# Allegro board FMDEMOD-before-back-annote.brd (continued)
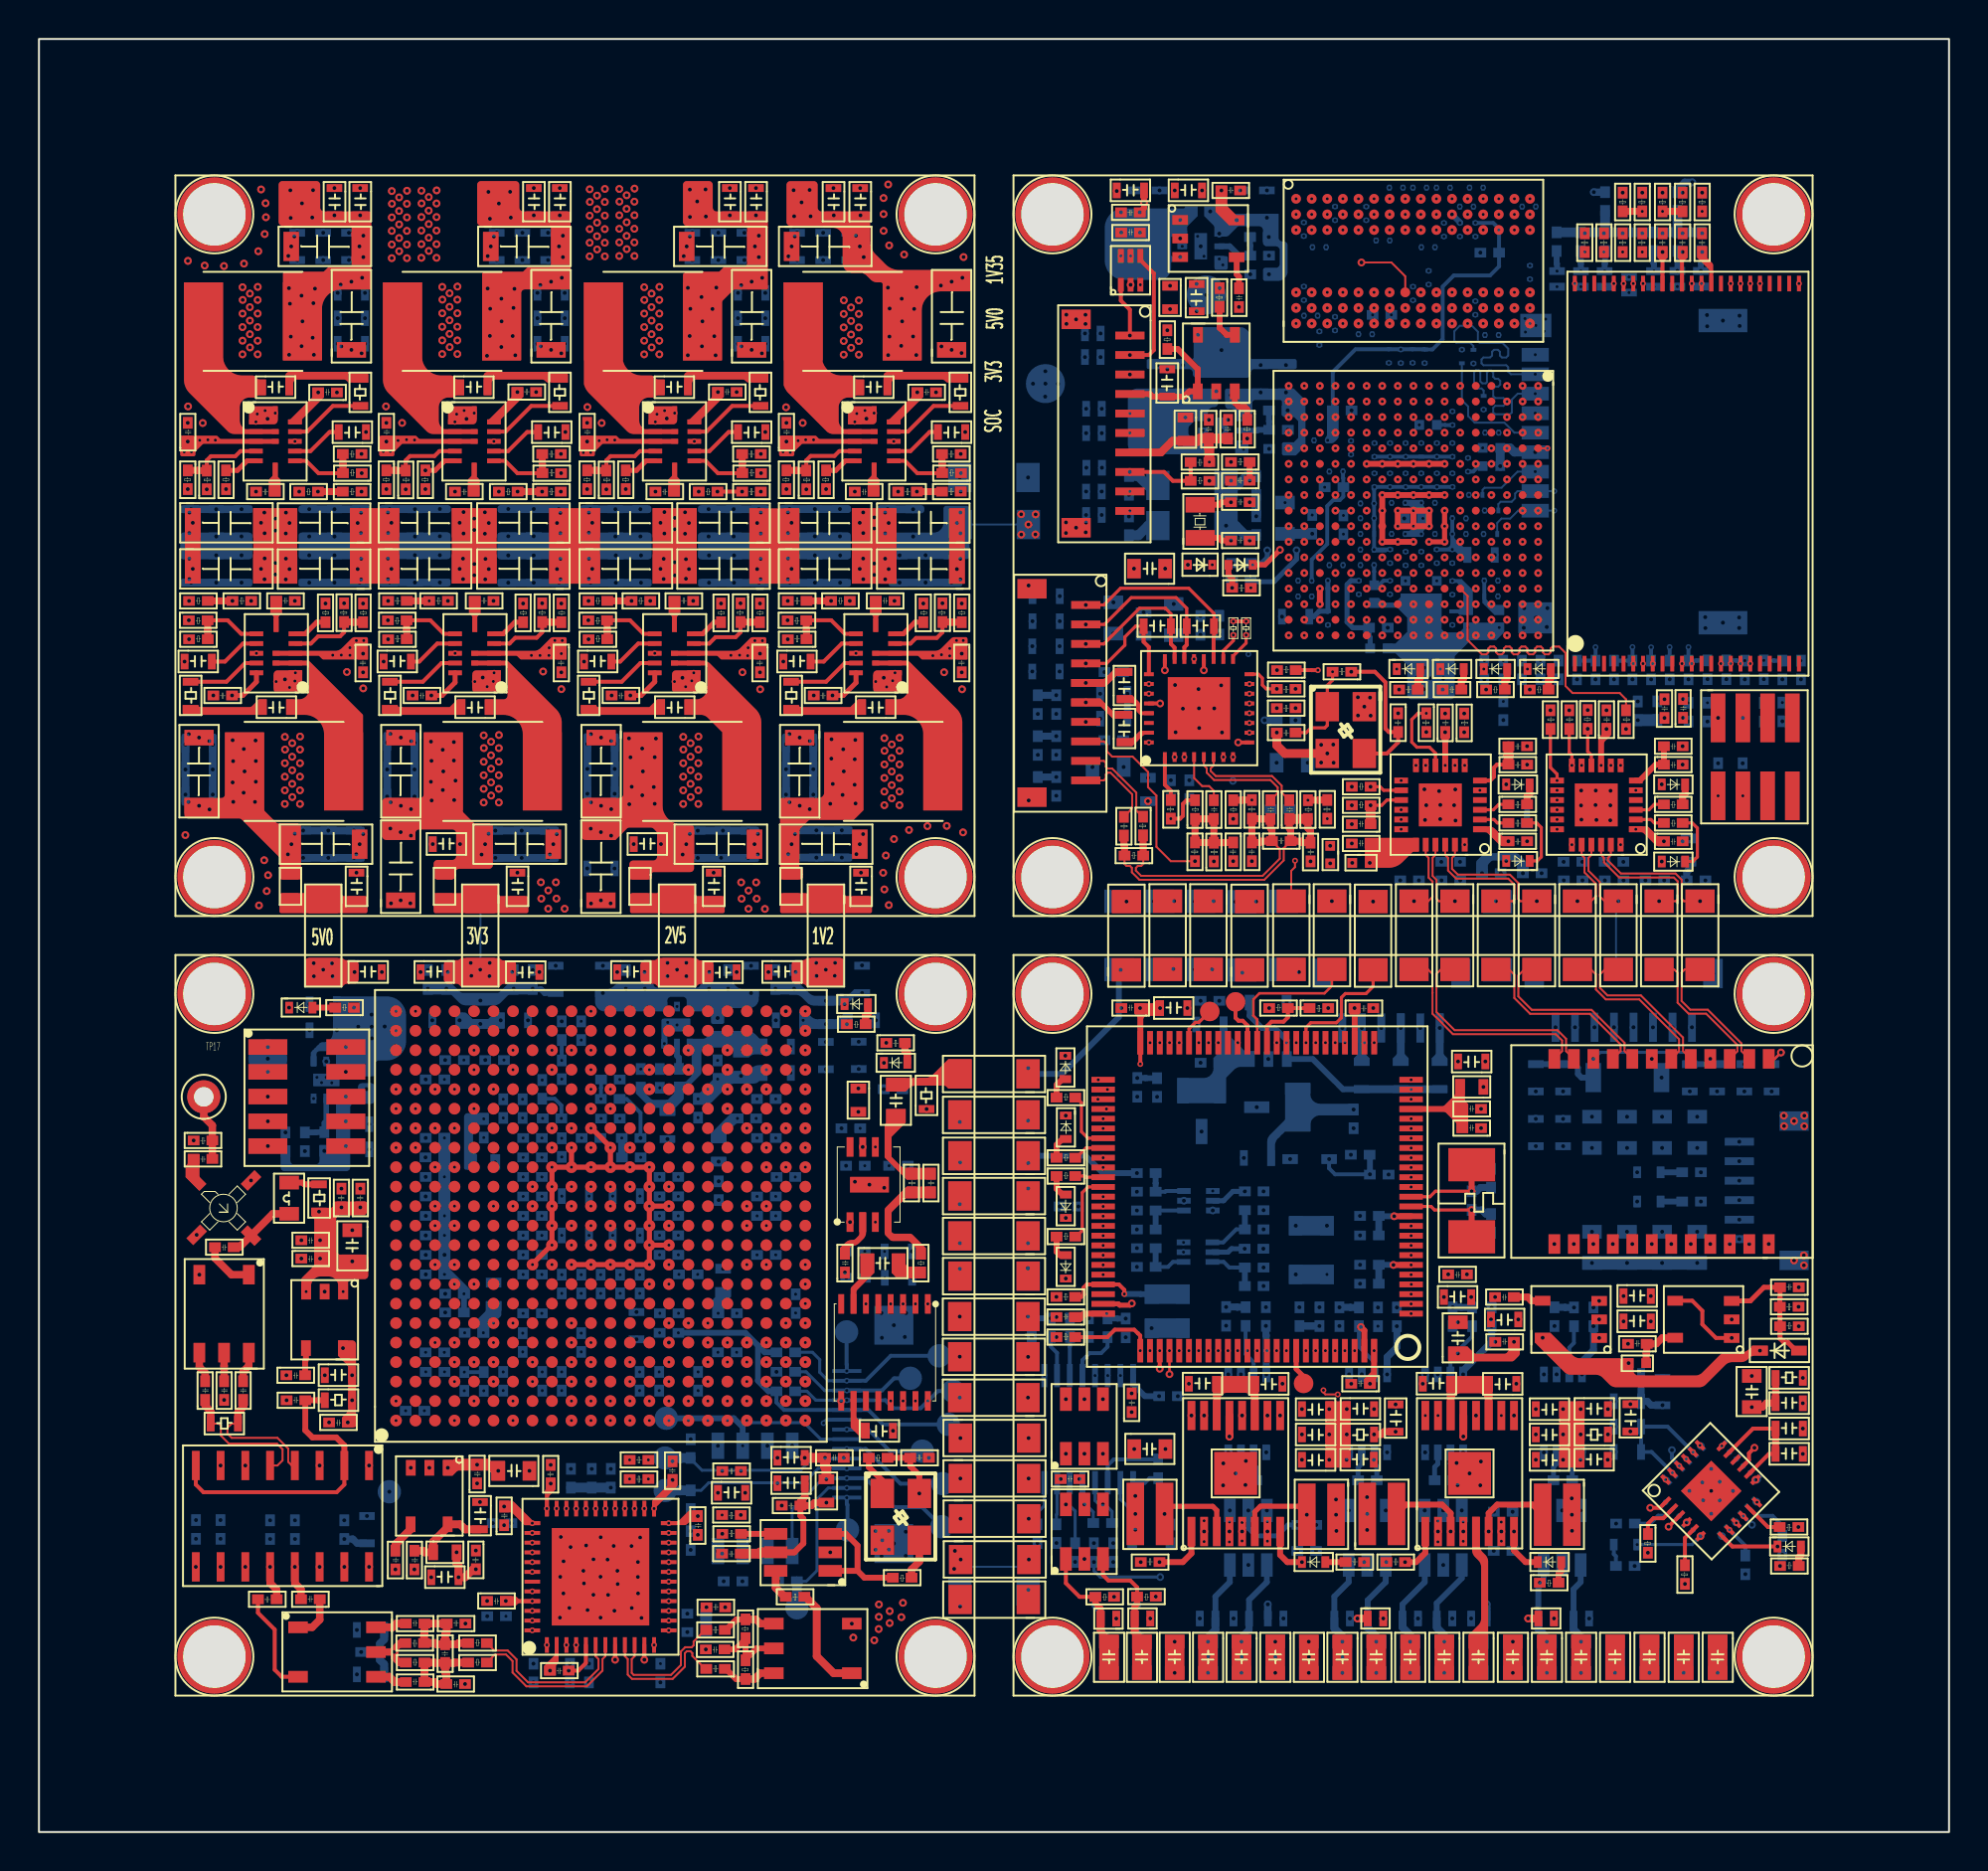
[diagram p0: board, top side]
## Footprints (pads in the part's own frame, mm; a bottom-side part is the same pattern mirrored in y, then rotated) (continued)
L0805
  rect 0.7x1 smd: 1(0.2,0.62) 2(1.8,0.62)
LED0402
  rect 0.4x0.6 smd: 1(-0.1,0.25) 2(1.1,0.25)
LQFP-100
  rect 0.3x1.2 smd: 1(-6.003,-7.901) 2(-5.503,-7.901) 3(-5.003,-7.901) 4(-4.503,-7.901) 5(-4.003,-7.901) 6(-3.503,-7.901) 7(-3.003,-7.901) 8(-2.503,-7.901) 9(-2.003,-7.901) 10(-1.503,-7.901) 11(-1.003,-7.901) 12(-0.503,-7.901) 13(-0.003,-7.901) 14(0.497,-7.901) 15(0.997,-7.901) 16(1.497,-7.901) 17(1.997,-7.901) 18(2.497,-7.901) 19(2.997,-7.901) 20(3.497,-7.901) 21(3.997,-7.901) 22(4.497,-7.901) 23(4.997,-7.901) 24(5.497,-7.901) 25(5.997,-7.901) 51(5.998,7.901) 52(5.498,7.901) 53(4.998,7.901) 54(4.498,7.901) 55(3.998,7.901) 56(3.498,7.901) 57(2.998,7.901) 58(2.498,7.901) 59(1.998,7.901) 60(1.498,7.901) 61(0.998,7.901) 62(0.498,7.901) 63(-0.002,7.901) 64(-0.502,7.901) 65(-1.002,7.901) 66(-1.502,7.901) 67(-2.002,7.901) 68(-2.502,7.901) 69(-3.002,7.901) 70(-3.502,7.901) 71(-4.002,7.901) 72(-4.502,7.901) 73(-5.002,7.901) 74(-5.502,7.901) 75(-6.002,7.901)
  rect 1.2x0.3 smd: 26(7.9,-6.007) 27(7.9,-5.507) 28(7.9,-5.007) 29(7.9,-4.507) 30(7.9,-4.007) 31(7.9,-3.507) 32(7.9,-3.007) 33(7.9,-2.507) 34(7.9,-2.007) 35(7.9,-1.507) 36(7.9,-1.007) 37(7.9,-0.507) 38(7.9,-0.007) 39(7.9,0.493) 40(7.9,0.993) 41(7.9,1.493) 42(7.9,1.993) 43(7.9,2.493) 44(7.9,2.993) 45(7.9,3.493) 46(7.9,3.993) 47(7.9,4.493) 48(7.9,4.993) 49(7.9,5.493) 50(7.9,5.993) 76(-7.902,5.997) 77(-7.902,5.497) 78(-7.902,4.997) 79(-7.902,4.497) 80(-7.902,3.997) 81(-7.902,3.497) 82(-7.902,2.997) 83(-7.902,2.497) 84(-7.902,1.997) 85(-7.902,1.497) 86(-7.902,0.997) 87(-7.902,0.497) 88(-7.902,-0.003) 89(-7.902,-0.503) 90(-7.902,-1.003) 91(-7.902,-1.503) 92(-7.902,-2.003) 93(-7.902,-2.503) 94(-7.902,-3.003) 95(-7.902,-3.503) 96(-7.902,-4.003) 97(-7.902,-4.503) 98(-7.902,-5.003) 99(-7.902,-5.503) 100(-7.902,-6.003)
MAPBGA-289
  round 0.4 smd: A1(0,0) A2(0.8,0) A3(1.6,0) A4(2.4,0) A5(3.2,0) A6(4,0) A7(4.8,0) A8(5.6,0) A9(6.4,0) A10(7.2,0) A11(8,0) A12(8.8,0) A13(9.6,0) A14(10.4,0) A15(11.2,0) A16(12,0) A17(12.8,0) B1(0,-0.8) B2(0.8,-0.8) B3(1.6,-0.8) B4(2.4,-0.8) B5(3.2,-0.8) B6(4,-0.8) B7(4.8,-0.8) B8(5.6,-0.8) B9(6.4,-0.8) B10(7.2,-0.8) B11(8,-0.8) B12(8.8,-0.8) B13(9.6,-0.8) B14(10.4,-0.8) B15(11.2,-0.8) B16(12,-0.8) B17(12.8,-0.8) C1(0,-1.6) C2(0.8,-1.6) C3(1.6,-1.6) C4(2.4,-1.6) C5(3.2,-1.6) C6(4,-1.6) C7(4.8,-1.6) C8(5.6,-1.6) C9(6.4,-1.6) C10(7.2,-1.6) C11(8,-1.6) C12(8.8,-1.6) C13(9.6,-1.6) C14(10.4,-1.6) C15(11.2,-1.6) C16(12,-1.6) C17(12.8,-1.6) D1(0,-2.4) D2(0.8,-2.4) D3(1.6,-2.4) D4(2.4,-2.4) D5(3.2,-2.4) D6(4,-2.4) D7(4.8,-2.4) D8(5.6,-2.4) D9(6.4,-2.4) D10(7.2,-2.4) D11(8,-2.4) D12(8.8,-2.4) D13(9.6,-2.4) D14(10.4,-2.4) D15(11.2,-2.4) D16(12,-2.4) D17(12.8,-2.4) E1(0,-3.2) E2(0.8,-3.2) E3(1.6,-3.2) E4(2.4,-3.2) E5(3.2,-3.2) E6(4,-3.2) E7(4.8,-3.2) E8(5.6,-3.2) E9(6.4,-3.2) E10(7.2,-3.2) E11(8,-3.2) E12(8.8,-3.2) E13(9.6,-3.2) E14(10.4,-3.2) E15(11.2,-3.2) E16(12,-3.2) E17(12.8,-3.2) F1(0,-4) F2(0.8,-4) F3(1.6,-4) F4(2.4,-4) F5(3.2,-4) F6(4,-4) F7(4.8,-4) F8(5.6,-4) F9(6.4,-4) F10(7.2,-4) F11(8,-4) F12(8.8,-4) F13(9.6,-4) F14(10.4,-4) F15(11.2,-4) F16(12,-4) F17(12.8,-4) G1(0,-4.8) G2(0.8,-4.8) G3(1.6,-4.8) G4(2.4,-4.8) G5(3.2,-4.8) G6(4,-4.8) G7(4.8,-4.8) G8(5.6,-4.8) G9(6.4,-4.8) G10(7.2,-4.8) G11(8,-4.8) G12(8.8,-4.8) G13(9.6,-4.8) G14(10.4,-4.8) G15(11.2,-4.8) G16(12,-4.8) G17(12.8,-4.8) H1(0,-5.6) H2(0.8,-5.6) H3(1.6,-5.6) H4(2.4,-5.6) H5(3.2,-5.6) H6(4,-5.6) H7(4.8,-5.6) H8(5.6,-5.6) H9(6.4,-5.6) H10(7.2,-5.6) H11(8,-5.6) H12(8.8,-5.6) H13(9.6,-5.6) H14(10.4,-5.6) H15(11.2,-5.6) H16(12,-5.6) H17(12.8,-5.6) J1(0,-6.4) J2(0.8,-6.4) J3(1.6,-6.4) J4(2.4,-6.4) J5(3.2,-6.4) J6(4,-6.4) J7(4.8,-6.4) J8(5.6,-6.4) J9(6.4,-6.4) J10(7.2,-6.4) J11(8,-6.4) J12(8.8,-6.4) J13(9.6,-6.4) J14(10.4,-6.4) J15(11.2,-6.4) J16(12,-6.4) J17(12.8,-6.4) K1(0,-7.2) K2(0.8,-7.2) K3(1.6,-7.2) K4(2.4,-7.2) K5(3.2,-7.2) K6(4,-7.2) K7(4.8,-7.2) K8(5.6,-7.2) K9(6.4,-7.2) K10(7.2,-7.2) K11(8,-7.2) K12(8.8,-7.2) K13(9.6,-7.2) K14(10.4,-7.2) K15(11.2,-7.2) K16(12,-7.2) K17(12.8,-7.2) L1(0,-8) L2(0.8,-8) L3(1.6,-8) L4(2.4,-8) L5(3.2,-8) L6(4,-8) L7(4.8,-8) L8(5.6,-8) L9(6.4,-8) L10(7.2,-8) L11(8,-8) L12(8.8,-8) L13(9.6,-8) L14(10.4,-8) L15(11.2,-8) L16(12,-8) L17(12.8,-8) M1(0,-8.8) M2(0.8,-8.8) M3(1.6,-8.8) M4(2.4,-8.8) M5(3.2,-8.8) M6(4,-8.8) M7(4.8,-8.8) M8(5.6,-8.8) M9(6.4,-8.8) M10(7.2,-8.8) M11(8,-8.8) M12(8.8,-8.8) M13(9.6,-8.8) M14(10.4,-8.8) M15(11.2,-8.8) M16(12,-8.8) M17(12.8,-8.8) N1(0,-9.6) N2(0.8,-9.6) N3(1.6,-9.6) N4(2.4,-9.6) N5(3.2,-9.6) N6(4,-9.6) N7(4.8,-9.6) N8(5.6,-9.6) N9(6.4,-9.6) N10(7.2,-9.6) N11(8,-9.6) N12(8.8,-9.6) N13(9.6,-9.6) N14(10.4,-9.6) N15(11.2,-9.6) N16(12,-9.6) N17(12.8,-9.6) P1(0,-10.4) P2(0.8,-10.4) P3(1.6,-10.4) P4(2.4,-10.4) P5(3.2,-10.4) P6(4,-10.4) P7(4.8,-10.4) P8(5.6,-10.4) P9(6.4,-10.4) P10(7.2,-10.4) P11(8,-10.4) P12(8.8,-10.4) P13(9.6,-10.4) P14(10.4,-10.4) P15(11.2,-10.4) P16(12,-10.4) P17(12.8,-10.4) R1(0,-11.2) R2(0.8,-11.2) R3(1.6,-11.2) R4(2.4,-11.2) R5(3.2,-11.2) R6(4,-11.2) R7(4.8,-11.2) R8(5.6,-11.2) R9(6.4,-11.2) R10(7.2,-11.2) R11(8,-11.2) R12(8.8,-11.2) R13(9.6,-11.2) R14(10.4,-11.2) R15(11.2,-11.2) R16(12,-11.2) R17(12.8,-11.2) T1(0,-12) T2(0.8,-12) T3(1.6,-12) T4(2.4,-12) T5(3.2,-12) T6(4,-12) T7(4.8,-12) T8(5.6,-12) T9(6.4,-12) T10(7.2,-12) T11(8,-12) T12(8.8,-12) T13(9.6,-12) T14(10.4,-12) T15(11.2,-12) T16(12,-12) T17(12.8,-12) U1(0,-12.8) U2(0.8,-12.8) U3(1.6,-12.8) U4(2.4,-12.8) U5(3.2,-12.8) U6(4,-12.8) U7(4.8,-12.8) U8(5.6,-12.8) U9(6.4,-12.8) U10(7.2,-12.8) U11(8,-12.8) U12(8.8,-12.8) U13(9.6,-12.8) U14(10.4,-12.8) U15(11.2,-12.8) U16(12,-12.8) U17(12.8,-12.8)
MICROSD-SMD-9P
  rect 0.7x1.4 smd: 1(2,7.53) 2(1,7.53) 3(0,7.53) 4(-1,7.53) 5(-2,7.53) 6(-3,7.53) 7(-4,7.53) 8(-5,7.53) 9(-6,7.53)
  rect 1.2x1.6 smd: 10(-7.5,7.5)
  rect 1.2x2.5 smd: 11(-7.75,-2.1) 12(7.75,-2.1)
  rect 1.6x1.8 smd: 13(7.5,7.5)
MSOP-8
  rect 0.4x0.8 smd: 1(0.63,0.58) 2(1.28,0.58) 3(1.93,0.58) 4(2.58,0.58) 5(2.58,4.58) 6(1.93,4.58) 7(1.28,4.58) 8(0.63,4.58)
MSOP-8-PAD
  rect 0.35x1 smd: 1(-0.001,-3.615) 2(0.649,-3.615) 3(1.299,-3.615) 4(1.949,-3.615) 5(1.949,0.241) 6(1.299,0.241) 7(0.649,0.241) 8(-0.001,0.241)
  rect 2x0.8 smd: 9(0.995,-1.694)
QFN-14
  rect 0.7x0.25 smd: 1(-0.99,1) 2(-0.99,0.5) 3(-0.99,0) 4(-0.99,-0.5) 5(-0.99,-1) 7(1.01,-1) 8(1.01,-0.5) 9(1.01,0) 10(1.01,0.5) 11(1.01,1)
  rect 0.25x0.7 smd: 6(0,-1.45) 12(0,1.45)
  rect 0.35x0.25 smd: 13(0,0.5) 14(0,0)
QFN-24
  rect 0.7x0.3 smd: 1(-2.03,1.25) 2(-2.03,0.75) 3(-2.03,0.25) 4(-2.03,-0.25) 5(-2.03,-0.75) 6(-2.03,-1.25) 13(2.01,-1.25) 14(2.01,-0.75) 15(2.01,-0.25) 16(2.01,0.25) 17(2.01,0.75) 18(2.01,1.25)
  rect 0.3x0.7 smd: 7(-1.25,-2.03) 8(-0.75,-2.03) 9(-0.25,-2.03) 10(0.25,-2.03) 11(0.75,-2.03) 12(1.25,-2.03) 19(1.25,2.04) 20(0.75,2.04) 21(0.25,2.04) 22(-0.25,2.04) 23(-0.75,2.04) 24(-1.25,2.04)
  rect 2.2x2.2 smd: 25(0,0)
QFN-32
  rect 0.5x0.2 smd: 1(-2.5,1.75) 2(-2.5,1.25) 3(-2.5,0.75) 4(-2.5,0.25) 5(-2.5,-0.25) 6(-2.5,-0.75) 7(-2.5,-1.25) 8(-2.5,-1.75) 17(2.53,-1.75) 18(2.53,-1.25) 19(2.53,-0.75) 20(2.53,-0.25) 21(2.53,0.25) 22(2.53,0.75) 23(2.53,1.25) 24(2.53,1.75)
  rect 0.2x0.5 smd: 9(-1.75,-2.59) 10(-1.25,-2.59) 11(-0.75,-2.59) 12(-0.25,-2.59) 13(0.25,-2.59) 14(0.75,-2.59) 15(1.25,-2.59) 16(1.75,-2.59) 25(1.75,2.57) 26(1.25,2.57) 27(0.75,2.57) 28(0.25,2.57) 29(-0.25,2.57) 30(-0.75,2.57) 31(-1.25,2.57) 32(-1.75,2.57)
  rect 3.2x3.2 smd: 33(0,0)
QFN-48
  rect 0.8x0.2 smd: 1(-3.5,2.75) 2(-3.5,2.25) 3(-3.5,1.75) 4(-3.5,1.25) 5(-3.5,0.75) 6(-3.5,0.25) 7(-3.5,-0.25) 8(-3.5,-0.75) 9(-3.5,-1.25) 10(-3.5,-1.75) 11(-3.5,-2.25) 12(-3.5,-2.75) 25(3.5,-2.75) 26(3.5,-2.25) 27(3.5,-1.75) 28(3.5,-1.25) 29(3.5,-0.75) 30(3.5,-0.25) 31(3.5,0.25) 32(3.5,0.75) 33(3.5,1.25) 34(3.5,1.75) 35(3.5,2.25) 36(3.5,2.75)
  rect 0.2x0.8 smd: 13(-2.75,-3.5) 14(-2.25,-3.5) 15(-1.75,-3.5) 16(-1.25,-3.5) 17(-0.75,-3.5) 18(-0.25,-3.5) 19(0.25,-3.5) 20(0.75,-3.5) 21(1.25,-3.5) 22(1.75,-3.5) 23(2.25,-3.5) 24(2.75,-3.5) 37(2.75,3.5) 38(2.25,3.5) 39(1.75,3.5) 40(1.25,3.5) 41(0.75,3.5) 42(0.25,3.5) 43(-0.25,3.5) 44(-0.75,3.5) 45(-1.25,3.5) 46(-1.75,3.5) 47(-2.25,3.5) 48(-2.75,3.5)
  rect 5x5 smd: 49(0,0)
R0201
  rect 0.2x0.3 smd: 1(-0.05,0.15) 2(0.65,0.15)
R0402
  rect 0.6x0.5 smd: 1(0.01,0.25) 2(0.97,0.25)
R0603
  rect 0.4x0.8 smd: 1(0.1,0.4) 2(1.5,0.4)
R1206
  rect 1.2x1.5 smd: 1(-0.15,0.8) 2(3.35,0.8)
R3216
  rect 3.2x0.9 smd: 1(1.62,1.95) 2(1.62,0.45)
SH1D0-SMD-VER-6P
  rect 0.4x1.5 smd: 1(1.48,3.46) 2(2.48,3.46) 3(3.48,3.46) 4(4.48,3.46) 5(5.48,3.46) 6(6.48,3.46)
  rect 1x1.5 smd: M1(0.42,0.65) M2(7.57,0.65)
SH1D0-SMD-VER-8P
  rect 0.4x1.5 smd: 1(1.51,3.41) 2(2.51,3.41) 3(3.51,3.41) 4(4.51,3.41) 5(5.51,3.41) 6(6.51,3.41) 7(7.51,3.41) 8(8.51,3.41)
  rect 1x1.5 smd: M1(0.42,0.65) M2(9.59,0.65)
SH1D0-SMD-VER-10P
  rect 0.4x1.5 smd: 1(1.24,3.41) 2(2.24,3.41) 3(3.24,3.41) 4(4.24,3.41) 5(5.24,3.41) 6(6.24,3.41) 7(7.24,3.41) 8(8.24,3.41) 9(9.24,3.41) 10(10.24,3.41)
  rect 1x1.5 smd: M1(0.41,0.65) M2(11.1,0.65)
SM-22
  rect 0.6x1 smd: 1(0.64,-0.1) 2(3.18,-0.1) 3(3.18,3.9) 4(1.91,3.9) 5(0.64,3.9)
SMD-HEADER-2X4-1D27
  rect 0.75x2.5 smd: 1(0.651,1.166) 2(1.921,1.166) 3(3.191,1.166) 4(4.461,1.166) 5(4.461,5.166) 6(3.191,5.166) 7(1.921,5.166) 8(0.651,5.166)
SMD-M3295NL
  rect 0.6x1 smd: 1(2.05,0.23) 2(3.05,0.23) 3(4.05,0.23) 4(5.05,0.23) 5(6.05,0.23) 6(7.05,0.23) 7(8.05,0.23) 8(9.05,0.23) 9(10.05,0.23) 10(11.05,0.23) 11(12.05,0.23) 12(13.05,0.23) 13(13.05,9.73) 14(12.05,9.73) 15(11.05,9.73) 16(10.05,9.73) 17(9.05,9.73) 18(8.05,9.73) 19(7.05,9.73) 20(6.05,9.73) 21(5.05,9.73) 22(4.05,9.73) 23(3.05,9.73) 24(2.05,9.73)
SO-8
  rect 0.65x1.35 smd: 1(0,-5.4) 2(1.27,-5.4) 3(2.54,-5.4) 4(3.81,-5.4) 5(3.81,0) 6(2.54,0) 7(1.27,0) 8(0,0)
SO-16
  rect 0.4x1.5 smd: 1(-4.437,-2.605) 2(-3.167,-2.605) 3(-1.897,-2.605) 4(-0.627,-2.605) 5(0.643,-2.605) 6(1.913,-2.605) 7(3.183,-2.605) 8(4.453,-2.605) 9(4.453,2.595) 10(3.183,2.595) 11(1.913,2.595) 12(0.643,2.595) 13(-0.627,2.595) 14(-1.897,2.595) 15(-3.167,2.595) 16(-4.437,2.595)
SOD523
  rect 0.4x0.5 smd: 1(0,0.43) 2(1.25,0.43)
SOD-523F
  rect 0.5x0.8 smd: 1(0,0) 2(0,-2)
SOT-6
  rect 0.7x0.3 smd: 1(0,0) 2(0,-0.5) 3(0,-1) 4(1.48,-1) 5(1.48,-0.5) 6(1.48,0)
SOT-23-3
  rect 1.3x0.6 smd: 1(0.3,2.47) 2(0.3,0.57) 3(2.4,1.52)
SOT-23-5
  rect 0.5x0.8 smd: 1(-0.95,-1.45) 2(0,-1.45) 3(0.95,-1.45) 4(0.96,1.45) 5(-0.94,1.45)
SOT-23-6
  rect 1.2x0.6 smd: 1(0,0) 2(0,-0.95) 3(0,-1.9) 4(2.8,-1.9) 5(2.8,-0.95) 6(2.8,0)
SSOP-16
  rect 1x0.3 smd: 1(0.6,4.7) 2(0.6,4.065) 3(0.6,3.43) 4(0.6,2.795) 5(0.6,2.16) 6(0.6,1.525) 7(0.6,0.89) 8(0.6,0.255) 9(5.58,0.255) 10(5.58,0.89) 11(5.58,1.525) 12(5.58,2.16) 13(5.58,2.795) 14(5.58,3.43) 15(5.58,4.065) 16(5.58,4.7)
TP_SMD_CIR_1D0
  round 1 smd: 1(0,0)
TP_SMD_CIR_1D2
  round 1.2 smd: 1(0,0)
TP_SMD_CIR_2D0
  round 2 smd: 1(0,0)
TP_THR_CIR_1D7_1D0
  round 1.7 hole 1: 1(0,0)
TSOP-48
  rect 0.8x0.2 smd: 1(-9.75,5.8) 2(-9.75,5.3) 3(-9.75,4.8) 4(-9.75,4.3) 5(-9.75,3.8) 6(-9.75,3.3) 7(-9.75,2.8) 8(-9.75,2.3) 9(-9.75,1.8) 10(-9.75,1.3) 11(-9.75,0.8) 12(-9.75,0.3) 13(-9.75,-0.2) 14(-9.75,-0.7) 15(-9.75,-1.2) 16(-9.75,-1.7) 17(-9.75,-2.2) 18(-9.75,-2.7) 19(-9.75,-3.2) 20(-9.75,-3.7) 21(-9.75,-4.2) 22(-9.75,-4.7) 23(-9.75,-5.2) 24(-9.75,-5.7) 25(9.75,-5.7) 26(9.75,-5.2) 27(9.75,-4.7) 28(9.75,-4.2) 29(9.75,-3.7) 30(9.75,-3.2) 31(9.75,-2.7) 32(9.75,-2.2) 33(9.75,-1.7) 34(9.75,-1.2) 35(9.75,-0.7) 36(9.75,-0.2) 37(9.75,0.3) 38(9.75,0.8) 39(9.75,1.3) 40(9.75,1.8) 41(9.75,2.3) 42(9.75,2.8) 43(9.75,3.3) 44(9.75,3.8) 45(9.75,4.3) 46(9.75,4.8) 47(9.75,5.3) 48(9.75,5.8)
TSSOP-16
  rect 0.3x1.2 smd: 1(0,-5.5) 2(0.65,-5.5) 3(1.3,-5.5) 4(1.95,-5.5) 5(2.6,-5.5) 6(3.25,-5.5) 7(3.9,-5.5) 8(4.55,-5.5) 9(4.55,0) 10(3.9,0) 11(3.25,0) 12(2.6,0) 13(1.95,0) 14(1.3,0) 15(0.65,0) 16(0,0)
TSX-3225-4P
  rect 1.5x1.2 smd: 1(0.43,0.3) 2(2.83,0.3) 3(2.83,2.2) 4(0.43,2.2)
unnamed#2
  round 3.8 hole 3.2: (0,0)
VFBGA-96
  round 0.5 smd: A1(0,0) A2(0.8,0) A3(1.6,0) A7(4.8,0) A8(5.6,0) A9(6.4,0) B1(0,-0.8) B2(0.8,-0.8) B3(1.6,-0.8) B7(4.8,-0.8) B8(5.6,-0.8) B9(6.4,-0.8) C1(0,-1.6) C2(0.8,-1.6) C3(1.6,-1.6) C7(4.8,-1.6) C8(5.6,-1.6) C9(6.4,-1.6) D1(0,-2.4) D2(0.8,-2.4) D3(1.6,-2.4) D7(4.8,-2.4) D8(5.6,-2.4) D9(6.4,-2.4) E1(0,-3.2) E2(0.8,-3.2) E3(1.6,-3.2) E7(4.8,-3.2) E8(5.6,-3.2) E9(6.4,-3.2) F1(0,-4) F2(0.8,-4) F3(1.6,-4) F7(4.8,-4) F8(5.6,-4) F9(6.4,-4) G1(0,-4.8) G2(0.8,-4.8) G3(1.6,-4.8) G7(4.8,-4.8) G8(5.6,-4.8) G9(6.4,-4.8) H1(0,-5.6) H2(0.8,-5.6) H3(1.6,-5.6) H7(4.8,-5.6) H8(5.6,-5.6) H9(6.4,-5.6) J1(0,-6.4) J2(0.8,-6.4) J3(1.6,-6.4) J7(4.8,-6.4) J8(5.6,-6.4) J9(6.4,-6.4) K1(0,-7.2) K2(0.8,-7.2) K3(1.6,-7.2) K7(4.8,-7.2) K8(5.6,-7.2) K9(6.4,-7.2) L1(0,-8) L2(0.8,-8) L3(1.6,-8) L7(4.8,-8) L8(5.6,-8) L9(6.4,-8) M1(0,-8.8) M2(0.8,-8.8) M3(1.6,-8.8) M7(4.8,-8.8) M8(5.6,-8.8) M9(6.4,-8.8) N1(0,-9.6) N2(0.8,-9.6) N3(1.6,-9.6) N7(4.8,-9.6) N8(5.6,-9.6) N9(6.4,-9.6) P1(0,-10.4) P2(0.8,-10.4) P3(1.6,-10.4) P7(4.8,-10.4) P8(5.6,-10.4) P9(6.4,-10.4) R1(0,-11.2) R2(0.8,-11.2) R3(1.6,-11.2) R7(4.8,-11.2) R8(5.6,-11.2) R9(6.4,-11.2) T1(0,-12) T2(0.8,-12) T3(1.6,-12) T7(4.8,-12) T8(5.6,-12) T9(6.4,-12)
VQFN-24
  rect 0.6x0.2 smd: 1(-2.03,1.25) 2(-2.03,0.75) 3(-2.03,0.25) 4(-2.03,-0.25) 5(-2.03,-0.75) 6(-2.03,-1.25) 13(2.01,-1.2) 14(2.01,-0.75) 15(2.01,-0.25) 16(2.01,0.25) 17(2.01,0.75) 18(2.01,1.25)
  rect 0.2x0.6 smd: 7(-1.25,-2.07) 8(-0.75,-2.07) 9(-0.25,-2.07) 10(0.25,-2.07) 11(0.75,-2.07) 12(1.25,-2.07) 19(1.25,2.07) 20(0.75,2.07) 21(0.25,2.07) 22(-0.25,2.07) 23(-0.75,2.07) 24(-1.25,2.07)
  rect 2.2x2.2 smd: 25(0,0)
WSON-6
  rect 0.5x0.3 smd: 1(-0.952,0.648) 2(-0.952,-0.002) 3(-0.952,-0.652) 4(0.948,-0.652) 5(0.948,-0.002) 6(0.948,0.648)
  rect 0.65x1.35 smd: 7(0,0)

## Nets
1V2_FPGA: C251.2 C5595.2 C5629.2 C5630.2 L11.2 R444.2
1V2_FPGA_PWR: C539.1 C540.2 C541.2 C542.2 C543.2 C5522.2 C5523.2 C5524.2 C5525.2 L39.1 L44.2 R445.2
2V5_FPGA: C5633.2 C5634.2 L10.1 R4523.1 R4524.1 R4525.2 U635.1
2V5_FPGA_IN: C5593.2 C5594.2 C5631.2 C5632.2 C5635.2 C5636.2 C5637.2 C5638.2 R435.2 R4523.2 U635.4 U635.6
2V5_FPGA_PWR: C529.1 C530.2 C531.2 C532.2 C5513.2 C5514.2 C5515.2 C5516.2 C5517.2 C5518.2 C5520.2 C5521.2 L38.1 L43.2 R436.2
3V3_AUDIO: C124.1 C125.1 L5.2 R134.2 U24.8 U24.10 U24.32
3V3_FPGA: C216.2 C5590.2 C5591.2 C5620.2 C5621.2 C5622.2 C5623.2 L8.1 R426.2
3V3_FPGA_PWR: C519.1 C520.2 C521.2 C522.2 C523.2 C5506.2 C5507.2 C5508.2 C5509.2 C5510.2 C5512.2 L37.1 L42.2 R427.2
3V3_IF: C406.2 C407.2 R386.2 R388.2 R389.2 R390.2 U58.5(\OUT\)
3V3_MCU: C4.2 C10.1 C11.1 C13.1 C14.1 C15.1 C16.1 C17.2 C28.2 C33.2 C44.2 C178.1 C194.2 C199.1 C367.2 C368.1 C369.1 C370.1 C452.1 C452.2 C461.1 C461.2 C464.1 C464.2 C471.1 C471.2 C477.1 C477.2 C481.1 C482.1 C483.1 C484.1 C485.1 C486.1 C487.1 C492.1 C493.1 C494.1 C494.2 C498.1 C499.1 D2.2 D7.2 D10.2 D15.2 D18.2(\K\) L1.1 L2.2 R1.1 R8.1 R9.1 R10.2 R11.2 R12.2 R13.2 R14.2 R15.2 R16.2 R17.2 R27.1 R29.2 R41.1 R43.2 R405.1 R406.2 U1.5 U3.6 U3.11 U3.28 U3.50 U3.75 U3.100 U5.5(\OUT\) U6.5(\VCC\) U9.5(\VCC\) U12.5(\VCC\) U15.5(\VCC\) U32.16(\VCC\) U33.5(\VCC\) U34.5(\VCC\) U54.5(\VCC\) U55.5(\VCC\)
3V3_MCU_A: C12.2 C480.2 L1.2 U3.22
5V_AUDIO: C133.2 C134.2 C136.1 C137.1 L6.2 U24.21 U24.26
5V_FPGA: C211.2 C212.2 C231.2 C232.2 C267.2 C268.2 C404.2 C405.2 C441.2 C5586.2 C5587.2 L13.1 R246.2 R4519.1 R4520.1 R4521.2 U40.1 U40.3 U58.1 U58.3 U634.1
5V_FPGA_IN: C5584.2 C5585.2 C5592.1 R354.2 R4519.2 TP41.1(\TP\) U634.4 U634.6
5V_FPGA_PWR: C310.2 C313.2 C314.2 C323.1 C386.2 C5478.2 C5479.2 C5480.2 C5481.2 L18.2 L36.1 R271.2
5V_MCU: C8.1 C9.1 C29.1 C31.1 C45.1 C46.1 C371.2 C372.2 C373.2 C374.2 J16.1 J16.2 R342.2 U5.1 U5.3 U10.8 U11.8 U16.8 U17.8
12V_MTR: C375.1 C376.1 C377.1 C378.1 C490.2 C491.2 J16.5 J16.6 R18.1 R19.2 R32.2 R33.1 R46.1 R343.2
GND: A1.2 A1.4 C1.1 C2.1 C3.1 C4.1 C5.1 C6.1 C7.1 C8.2 C9.2 C10.2 C11.2 C12.1 C13.2 C14.2 C15.2 C16.2 C17.1 C18.2 C19.2 C20.2 C21.1 C22.1 C23.2 C24.2 C25.2 C26.2 C27.2 C28.1 C29.2 C30.2 C31.2 C32.2 C33.1 C34.2 C35.2 C36.2 C37.1 C38.2 C39.1 C40.2 C41.2 C42.2 C43.2 C44.1 C45.2 C46.2 C47.2 C48.2 C49.2 C50.1 C51.2 C52.2 C53.2 C54.2 C55.2 C56.2 C57.2 C58.2 C59.2 C60.2 C61.2 C62.2 C63.2 C64.2 C65.2 C66.2 C67.2 C68.2 C69.2 C70.2 C71.2 C72.2 C73.2 C74.2 C75.2 C76.2 C77.2 C78.2 C79.2 C80.2 C81.2 C82.1 C83.1 C85.1 C87.1 C88.2 C89.2 C90.2 C91.2 C92.2 C93.2 C95.2 C96.2 C97.2 C98.2 C99.2 C100.2 C101.2 C102.2 C103.2 C104.2 C105.2 C106.2 C107.2 C108.2 C109.2 C110.2 C111.2 C112.2 C113.2 C114.2 C115.1 C116.1 C117.1 C118.1 C119.1 C120.1 C121.2 C122.1 C123.2 C128.1 C129.2 C132.1 C139.2 C140.1 C141.1 C145.1 C146.1 C147.1 C148.1 C149.2 C150.2 C152.2 C153.2 C154.2 C158.2 C162.2 C166.1 C167.1 C174.2 C178.2 C181.2 C185.2 C194.1 C199.2 C200.1 C201.1 C202.2 C203.1 C205.1 C206.2 C210.1 C211.1 C212.1 C214.1 C215.1 C216.1 C218.1 C219.1 C220.1 C221.2 C222.2 C223.2 C224.2 C225.2 C226.2 C227.2 C228.2 C229.1 C230.1 C231.1 C232.1 C233.1 C234.1 C237.1 C238.1 C239.1 C240.1 C241.2 C242.2 C243.2 C244.2 C248.1 C250.1 C251.1 C252.1 C253.1 C254.1 C255.1 C256.1 C257.1 C258.1 C259.1 C260.1 C261.1 C262.1 C267.1 C268.1 C269.1 C270.1 C277.1 C278.1 C279.1 C280.1 C288.1 C289.1 C290.1 C291.1 C292.2 C294.1 C295.1 C298.1 C307.1 C308.1 C310.1 C311.1 C312.1 C313.1 C314.1 C315.1 C316.1 C322.1 C367.1 C368.2 C369.2 C370.2 C371.1 C372.1 C373.1 C374.1 C375.2 C376.2 C377.2 C378.2 C386.1 C395.1 C396.1 C399.2 C401.2 C404.1 C405.1 C406.1 C407.1 C408.1 C409.1 C410.2 C411.1 C412.1 C413.1 C414.1 C415.1 C416.1 C417.1 C418.1 C419.1 C420.1 C421.1 C422.1 C423.1 C424.1 C425.1 C426.1 C427.2 C428.1 C429.1 C430.1 C431.1 C432.1 C433.1 C434.1 C435.1 C436.1 C437.1 C438.1 C439.1 C440.2 C441.1 C455.1 C455.2 C460.1 C460.2 C467.1 C467.2 C473.1 C473.2 C479.1 C479.2 C480.1 C481.2 C482.2 C483.2 C484.2 C485.2 C486.2 C487.2 C488.2 C489.2 C490.1 C491.1 C492.2 C493.2 C495.1 C495.2 C498.2 C499.2 C500.2 C501.2 C502.2 C503.2 C504.2 C505.2 C506.1 C507.1 C517.1 C518.1 C520.1 C521.1 C522.1 C523.1 C524.1 C525.1 C527.1 C528.1 C530.1 C531.1 C532.1 C534.1 C535.1 C537.1 C538.1 C540.1 C541.1 C542.1 C543.1 C544.1 C545.1 C1307.1 C1308.1 C3101.1 C3131.1 C3141.1 C3861.1 C5061.1 C5071.1 C5171.1 C5181.1 C5201.1 C5211.1 C5221.1 C5231.1 C5241.1 C5251.1 C5271.1 C5281.1 C5301.1 C5311.1 C5321.1 C5331.1 C5341.1 C5351.1 C5371.1 C5401.1 C5411.1 C5421.1 C5431.1 C5441.1 C5451.1 C5472.1 C5473.1 C5474.1 C5475.1 C5476.1 C5477.1 C5478.1 C5479.1 C5480.1 C5481.1 C5482.1 C5483.1 C5484.1 C5485.1 C5486.1 C5487.1 C5488.1 C5489.1 C5490.1 C5491.1 C5492.1 C5493.1 C5494.2 C5495.2 C5496.2 C5497.2 C5498.1 C5499.1 C5500.1 C5501.1 C5502.1 C5503.1 C5504.1 C5505.1 C5506.1 C5507.1 C5508.1 C5509.1 C5510.1 C5512.1 C5513.1 C5514.1 C5515.1 C5516.1 C5517.1 C5518.1 C5519.1 C5520.1 C5521.1 C5522.1 C5523.1 C5524.1 C5525.1 C5526.1 C5527.1 C5528.1 C5529.1 C5530.1 C5531.1 C5532.1 C5533.1 C5534.1 C5535.1 C5536.2 C5537.2 C5538.2 C5539.1 C5540.1 C5541.1 C5542.1 C5543.1 C5544.1 C5545.1 C5546.1 C5547.1 C5548.1 C5549.1 C5550.1 C5551.2 C5552.2 C5553.2 C5554.2 C5555.1 C5556.1 C5557.1 C5558.1 C5559.1 C5560.1 C5561.1 C5562.1 C5563.1 C5564.1 C5565.1 C5566.1 C5567.1 C5568.1 C5569.1 C5570.1 C5571.1 C5572.1 C5573.1 C5574.1 C5575.1 C5576.1 C5577.1 C5578.1 C5579.1 C5580.1 C5581.1 C5582.1 C5583.1 C5584.1 C5585.1 C5586.1 C5587.1 C5588.2 C5589.2 C5590.1 C5591.1 C5592.2 C5593.1 C5594.1 C5595.1 C5596.1 C5597.1 C5598.1 C5599.1 C5600.1 C5601.1 C5602.1 C5603.1 C5604.1 C5605.1 C5606.1 C5607.1 C5608.1 C5609.1 C5610.1 C5611.1 C5612.1 C5613.1 C5614.1 C5615.1 C5616.1 C5617.1 C5618.2 C5619.2 C5620.1 C5621.1 C5622.1 C5623.1 C5627.1 C5628.1 C5629.1 C5630.1 C5631.1 C5632.1 C5633.1 C5634.1 C5635.1 C5636.1 C5637.1 C5638.1 C5639.1 C5640.1 C5641.1 C5642.1 C5643.1 C5644.2 C5645.2 C5646.2 C5647.2 C5648.2 C5649.2 C5650.2 C5651.2 C5652.2 C5653.2 C5654.2 C5655.2 C5656.2 C5657.2 D1.1 D2.1 D3.1 D4.1 D7.1 D8.1 D9.1 D10.1 D11.1 D12.1 D15.1 D16.1 D17.1 D29.2 D30.2 D31.2 D32.2 D33.2 D34.2 D35.2 D42.1 D43.1 D44.2 D45.2 D46.2 D47.2 D48.2 D49.1(\CATHODE\) D50.1(\CATHODE\) D51.1 D52.1 D53.1 D54.1 D55.1(\CATHODE\) D56.1(\CATHODE\) D57.1(\CATHODE\) D58.1(\CATHODE\) D59.1(\CATHODE\) D60.1(\CATHODE\) D61.1(\CATHODE\) J1.1 J1.3 J1.5 J1.M1 J1.M2(\M2\) J8.M1 J8.M2(\M2\) J9.6(\VSS\) J9.10 J9.11 J9.12 J9.13 J14.6 J14.M1 J14.M2(\M2\) J16.3 J16.4 J16.M1 J16.M2(\M2\) J17.3 J17.M1 J17.M2(\M2\) J18.1 R20.2 R21.1 R22.2 R23.1 R26.2 R28.2 R34.2 R35.1 R36.2 R37.1 R40.2 R42.2 R47.2 R51.1 R52.1 R58.1 R59.1 R61.2 R63.2 R66.2 R86.1 R87.2 R88.2 R89.1 R90.1 R91.1 R92.1 R93.1 R95.1 R96.1 R97.1 R98.1 R103.1 R104.1 R106.1 R109.1 R110.1 R111.1 R112.1 R113.1 R114.1 R116.1 R118.1 R119.1 R120.1 R121.1 R122.1 R123.1 R124.1 R126.1 R137.2 R139.2 R164.2 R181.1 R232.2 R247.1 R252.1 R262.1 R276.1 R376.1 R379.1 R381.1 R383.1 R387.1 R393.1 R394.1 R395.1 R396.1 R404.1 R407.2 R408.2 R411.1 R412.1 R414.1 R428.1 R429.1 R431.1 R437.1 R438.1 R440.1 R446.1 R447.1 R449.1 R2761.1 R4121.1 R4141.1 R4281.1 R4291.1 R4311.1 R4371.1 R4401.1 R4461.1 R4491.1 R4503.1 R4505.1 R4506.1 R4506.2 R4507.1 R4507.2 R4508.1 R4508.2 R4509.1 R4509.2 R4510.1 R4510.2 R4512.1 R4518.1 R4522.1 R4526.1 T2.2 T3.2 TP25.1(\TP\) TP27.1(\TP\) TP42.1(\TP\) U1.2(\VSS\) U2.3 U3.10(\VSS_5\) U3.19 U3.20 U3.27 U3.49 U3.74 U3.99 U4.3 U5.2 U6.2 U7.13 U7.17 U8.18 U8.25 U9.2 U10.1 U10.5 U10.6 U11.1 U11.5 U11.6 U12.2 U13.18 U13.25 U14.13 U14.17 U15.2 U16.1 U16.5 U16.6 U17.1 U17.5 U17.6 U18.2(\VSS\) U19.A1 U19.A17 U19.C3 U19.C7 U19.C11 U19.C15 U19.E8 U19.E11 U19.F6 U19.F7 U19.F8 U19.F9 U19.F10 U19.F11 U19.F12 U19.G3 U19.G5 U19.G7 U19.G12 U19.G15 U19.H7 U19.H12 U19.J5 U19.J7 U19.J12 U19.K7 U19.K12 U19.L3 U19.L7 U19.L12 U19.M7 U19.M8 U19.M9 U19.M10 U19.M11 U19.M12 U19.N3 U19.N5 U19.N7 U19.R3 U19.R5 U19.R7 U19.R11 U19.R16 U19.R17 U19.T14 U19.U1 U19.U14 U19.U17 U20.A9 U20.B1 U20.B3 U20.B9 U20.D1 U20.D8 U20.E1 U20.E2 U20.E8 U20.F9 U20.G1 U20.G8 U20.G9 U20.J2 U20.J8 U20.M1 U20.M9 U20.P1 U20.P9 U20.T1 U20.T9 U21.25 U22.25 U23.13 U23.25 U23.36 U23.48 U29.2 U31.2 U32.15 U33.2 U34.2 U35.4 U36.5 U36.8 U36.11 U36.15 U36.16 U36.23 U36.31 U36.38 U36.44 U36.48 U36.49 U39.2 U40.2 U42.4 U42.9 U43.1 U43.7 U43.9 U46.2 U54.2 U55.2 U56.A1 U56.A22 U56.AA2 U56.AA22 U56.AB1 U56.AB6 U56.AB22 U56.C5 U56.C9 U56.C11 U56.C12 U56.C14 U56.C16 U56.C18 U56.D3 U56.D8 U56.E18 U56.E20 U56.F3 U56.F5 U56.F12 U56.G2 U56.G20 U56.H3 U56.H12 U56.H13 U56.J9 U56.J15 U56.J19 U56.K3 U56.K10 U56.K11 U56.K12 U56.K13 U56.K16 U56.L10 U56.L11 U56.L12 U56.L13 U56.L15 U56.L20 U56.M10 U56.M11 U56.M12 U56.M13 U56.N3 U56.N10 U56.N11 U56.N12 U56.N13 U56.N15 U56.P8 U56.P19 U56.R3 U56.R9 U56.R11 U56.R13 U56.T20 U56.U3 U56.U5 U56.V18 U56.V20 U56.W3 U56.Y5 U56.Y9 U56.Y11 U56.Y12 U56.Y15 U56.Y16 U56.Y18 U56.Y20 U57.1 U57.3 U57.6 U57.7 U57.11 U57.14 U58.2 U59.1 U59.12 U61.1 U61.12 U62.1 U62.12 U63.1 U63.12 U591.1 U591.12 U611.1 U611.12 U621.1 U621.12 U631.1 U631.12 U632.3 U632.7 U633.3 U633.7 U634.3 U634.7 U635.3 U635.7 UNK3VBATTERY1.2 Y2.2 Y2.4 Y5.2
GNDA: C124.2 C125.2 C127.2 C131.2 C133.1 C134.1 C135.2 C136.2 C137.2 C138.2 C176.2 C177.1 C186.1 C187.1 C189.2 C195.2 C196.2 C197.2 C198.2 J13.7 J13.M1 J13.M2(\M2\) R138.2 R184.1 R200.1 R203.2 R204.2 R411.2 U24.9 U24.20 U24.24 U24.28 U24.33
VBAT_ADC: U3.34 U18.1 U18.4
VBAT_IN: C307.2 C308.2 C517.2 C518.2 C527.2 C528.2 C537.2 C538.2 C1307.2 C1308.2 C5171.2 C5181.2 C5271.2 C5281.2 C5371.2 C5472.2 C5473.2 C5474.2 C5475.2 C5476.2 C5477.2 C5482.2 C5483.2 C5484.2 C5485.2 C5486.2 C5487.2 C5488.2 C5489.2 C5490.2 C5491.2 C5492.2 C5493.2 C5494.1 C5495.1 C5496.1 C5497.1 C5498.2 C5499.2 C5500.2 C5501.2 C5502.2 C5503.2 C5527.2 C5528.2 C5529.2 C5530.2 C5531.2 C5532.2 C5533.2 C5534.2 C5535.2 C5536.1 C5537.1 C5538.1 C5539.2 C5540.2 C5541.2 C5542.2 C5543.2 C5544.2 C5545.2 C5546.2 C5547.2 C5548.2 C5549.2 C5550.2 C5551.1 C5552.1 C5553.1 C5554.1 R270.2 R413.2 R424.2 R425.2 R433.2 R434.2 R442.2 R443.2 R2701.2 R4131.2 R4241.2 R4251.2 R4331.2 R4421.2 R4502.2 R4504.2 U59.3(\VIN#3\) U59.14 U61.3(\VIN#3\) U61.14 U62.3(\VIN#3\) U62.14 U63.3(\VIN#3\) U63.14 U591.3(\VIN#3\) U591.14 U611.3(\VIN#3\) U611.14 U621.3(\VIN#3\) U621.14 U631.3(\VIN#3\) U631.14
VCCA_2V5: C237.2 C238.2 C239.2 C240.2 C241.1 C242.1 C243.1 C244.1 C427.1 C5628.2 J14.5 L10.2 R248.1 R250.1 TP32.1(\TP\) U56.F18 U56.G6 U56.T6 U56.U18
VCCINT_1V2: C250.2 C252.2 C253.2 C254.2 C255.2 C256.2 C257.2 C258.2 C259.2 C260.2 C261.2 C262.2 C428.2 C429.2 C430.2 C431.2 C432.2 C433.2 C434.2 C435.2 C436.2 C437.2 C438.2 C439.2 C5612.2 C5613.2 C5614.2 C5615.2 C5616.2 C5639.2 L11.1 L15.2 L442.2 L443.2 L444.2 U56.G12 U56.H9 U56.J10 U56.J11 U56.J12 U56.J13 U56.J14 U56.J16 U56.K9 U56.K14 U56.K15 U56.L9 U56.L14 U56.L16 U56.M9 U56.M14 U56.M15 U56.N9 U56.N14 U56.P9 U56.P10 U56.P11 U56.P12 U56.P13 U56.P14 U56.R8 U56.R10 U56.R12
VCCIO_3V3: C200.2 C201.2 C218.2 C219.2 C220.2 C221.1 C222.1 C223.1 C224.1 C225.1 C226.1 C227.1 C228.1 C288.2 C289.2 C411.2 C412.2 C413.2 C414.2 C415.2 C416.2 C417.2 C418.2 C419.2 C420.2 C421.2 C422.2 C423.2 C424.2 C425.2 C426.2 C5596.2 C5597.2 C5598.2 C5599.2 C5600.2 C5601.2 C5602.2 C5603.2 C5604.2 C5605.2 C5617.2 C5618.1 C5619.1 C5627.2 C5641.2 C5642.2 C5643.2 J14.14 J18.10 L8.2 L14.1 R228.2 R230.2 R231.2 R374.1 R375.1 R377.2 R378.2 R380.2 R382.2 TP40.1(\TP\) U35.3 U35.7 U35.8(\VCC#8\) U36.24 U36.25 U36.36 U36.37 U36.45 U56.A2 U56.A21 U56.AA6 U56.AB2 U56.AB21 U56.D4 U56.D5 U56.D9 U56.D11 U56.D12 U56.D14 U56.D16 U56.D18 U56.E8(\VCCIO8#E8\) U56.E19 U56.F4 U56.G19 U56.H4 U56.J20 U56.K4 U56.L19 U56.N4 U56.P18 U56.R4 U56.T19 U56.U4 U56.V19 U56.W4 U56.W5 U56.W9 U56.W11 U56.W12 U56.W16 U56.W18 U56.Y14 U56.Y19